# Altium PCB PCB1.PcbDoc (continued)
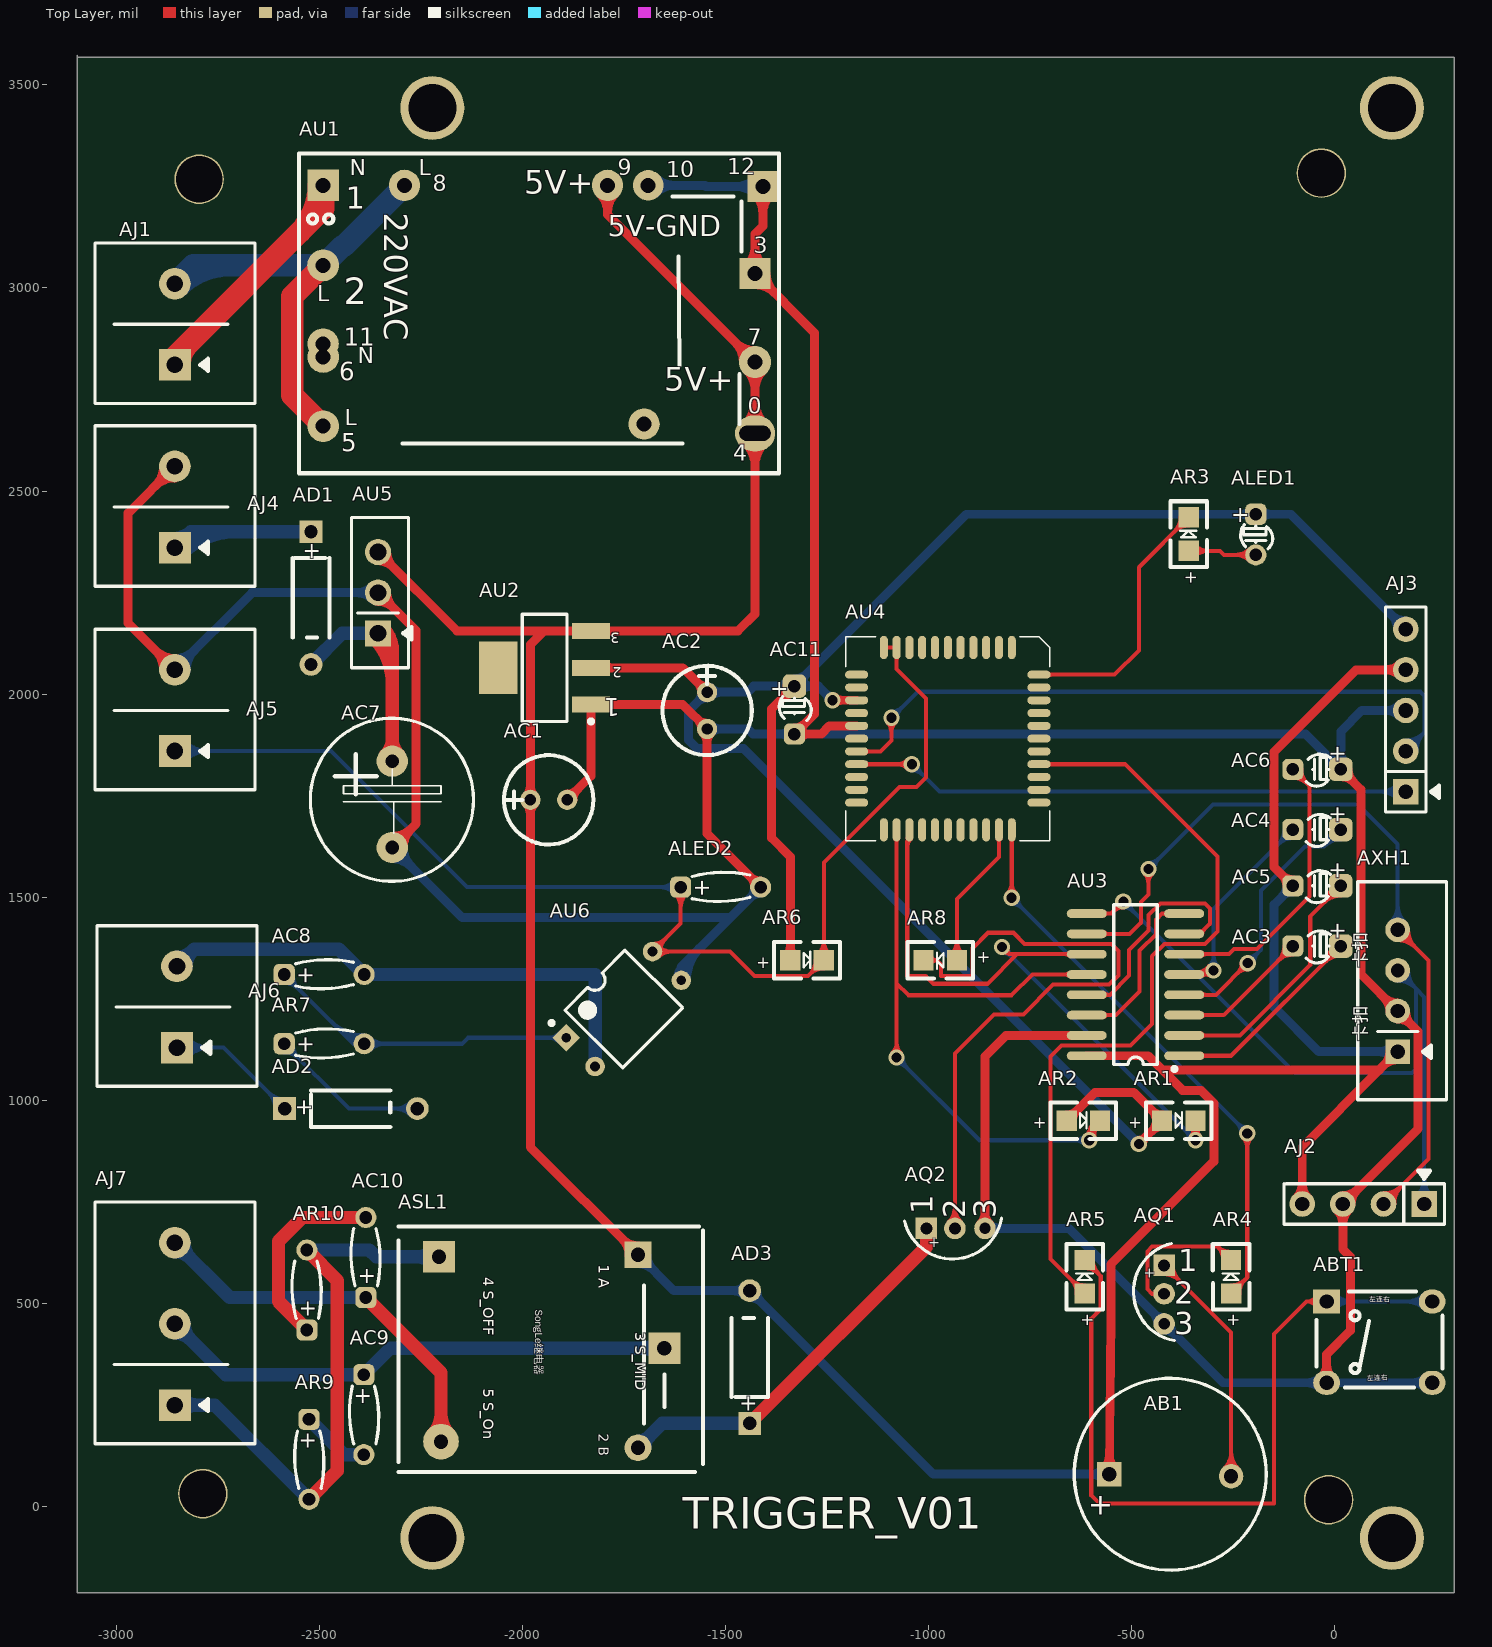
[diagram p0: Top Layer view]
## Nets (pads, with @x,y where several pads share a name; then routed paths per layer and width w, separated by ;. In a path a pad name is that pad's centre, name@x,y a point inside that pad or via, vN(x,y) a via of type N, cw(c..) or ccw(c..) an arc to the next point about the centre after c; other vN are vias at no path point)
NetAB1_1: AB1.1 AC1.1 AC5.2 AD3.2 AJ2.4 AJ3.4 ASL1.1 AU1.4 AU1.7 AU1.9 AU2.3 AU3.16 AU5.3 AXH1.1 | length 10766
  Top Layer w22: AU5.3@-2355,2328.5 cw(c-2355,2276.59) -2318.3,2313.3 cw(c-2281.59,2350) AU5.3@-2333.5,2350 ; AU5.3 -2160.55,2155.55 -1946.29,2155.55 ; AC1.1@-1989.9,1730.1 cw(c-2013.8,1706.2) -1980,1706.2 cw(c-1946.2,1706.2) AC1.1@-1970.1,1730.1 ; AC1.1@-1989.9,1749.9 ccw(c-2013.8,1773.8) -1980,1773.8 ccw(c-1946.2,1773.8) AC1.1@-1970.1,1749.9 ; AU2.3@-1864.53,2149.41 ccw(c-1879.35,2134.58) -1879.35,2155.55 ccw(c-1879.35,2176.52) AU2.3@-1864.53,2161.69 ; AU1.9@-1809.45,3233.15 cw(c-1856.39,3186.21) -1790,3186.21 cw(c-1723.61,3186.21) AU1.9@-1770.55,3233.15 ; AU2.3@-1797.13,2149.41 cw(c-1782.3,2134.58) -1782.3,2155.55 cw(c-1782.3,2176.52) AU2.3@-1797.13,2161.69 ; AU1.9 -1790,3180.55 AU1.7 AU1.4 -1427.01,2197.84 -1469.29,2155.55 AU2.3 -1946.29,2155.55 ; ASL1.1@-1737,620 ccw(c-1790.11,620) -1752.56,657.56 ccw(c-1715,695.11) ASL1.1@-1715,642 ; ASL1.1 -1980,885 AC1.1 -1980,2121.84 -1946.29,2155.55 ; AU1.7@-1455.51,2817.56 ccw(c-1524.31,2817.56) -1475.66,2866.21 ccw(c-1427.01,2914.87) AU1.7@-1427.01,2846.06 ; AU1.4@-1450.34,2618.71 cw(c-1506.68,2562.38) -1427.01,2562.38 cw(c-1347.34,2562.38) AU1.4@-1403.67,2618.71 ; AU1.4@-1450.34,2665.38 ccw(c-1506.68,2721.72) -1427.01,2721.72 ccw(c-1347.34,2721.72) AU1.4@-1403.67,2665.38 ; AU1.7@-1447.16,2797.41 cw(c-1495.81,2748.75) -1427.01,2748.75 cw(c-1358.2,2748.75) AU1.7@-1406.86,2797.41 ; AU3.16 -459.29,1110 -424.28,1074.99 ; AB1.1@-568.29,93.58 ccw(c-600.39,126.35) -554.52,125.87 ccw(c-508.65,125.39) AB1.1@-541.42,93.29 ; AB1.1 -551,461 -551,596.28 -297.29,849.99 -297.29,992.99 -329.29,1024.99 -374.28,1024.99 -424.28,1074.99 ; AC5.2@-118.11,1528.33 ccw(c-154.32,1528.33) -128.72,1553.94 ccw(c-103.11,1579.55) AC5.2@-103.11,1543.33 ; AC5.2 -149.29,1574.52 -149.29,1857.99 52.72,2060 AJ3.4 ; AJ2.4@-94.5,759.5 ccw(c-129.49,794.49) -80,794.49 ccw(c-30.51,794.49) AJ2.4@-65.5,759.5 ; AJ2.4 -80,885 109.99,1074.99 ; AXH1.1@135.49,1120 cw(c88.38,1120) 121.69,1086.69 cw(c155,1053.38) AXH1.1@155,1100.49 ; AXH1.1 109.99,1074.99 ; AJ3.4@160.5,2045.5 ccw(c125.51,2010.51) 125.51,2060 ccw(c125.51,2109.49) AJ3.4@160.5,2074.5 ; -424.28,1074.99 109.99,1074.99
  Bottom Layer w22: ASL1.1@-1715,598 cw(c-1715,544.89) -1677.44,582.44 cw(c-1639.89,620) ASL1.1@-1693,620 ; ASL1.1 -1626.77,531.77 AD3.2 -988.23,80 AB1.1 ; AD3.2@-1452.02,519.75 ccw(c-1481.04,490.73) -1481.04,531.77 ccw(c-1481.04,572.81) AD3.2@-1452.02,543.79 ; AD3.2@-1440,514.77 cw(c-1440,473.73) -1410.98,502.75 cw(c-1381.96,531.77) AD3.2@-1423,531.77 ; AB1.1@-568.44,66.56 ccw(c-600.87,34.13) -600.87,80 ccw(c-600.87,125.87) AB1.1@-568.44,93.44 ; AC5.2@-118.11,1528.33 cw(c-154.32,1528.33) -128.72,1502.73 cw(c-103.11,1477.12) AC5.2@-103.11,1513.33 ; AC5.2 -149.29,1482.15 -149.29,1229.99 -39.3,1120 AXH1.1 ; AXH1.1@141.2,1106.2 ccw(c107.89,1072.89) 107.89,1120 ccw(c107.89,1167.11) AXH1.1@141.2,1133.8
NetAB1_2: AB1.2 AQ1.1 | length 864.3
  Top Layer w10: AQ1.1@-420,572.45 cw(c-420,520.55) -383.3,557.25 cw(c-346.59,593.95) AQ1.1@-398.5,593.95 ; AQ1.1@-420,582.45 cw(c-420,554.69) -400.37,574.32 cw(c-380.74,593.95) AQ1.1@-408.5,593.95 ; AQ1.1 -255,428.95 AB1.2 ; AB1.2@-272.68,92.56 ccw(c-315.36,135.24) -255,135.24 ccw(c-194.64,135.24) AB1.2@-237.32,92.56 ; AB1.2@-265.61,85.49 ccw(c-291.21,111.09) -255,111.09 ccw(c-218.79,111.09) AB1.2@-244.39,85.49
NetABT1_1: ABT1.1 ABT1.3 AR5.2 | length 2335
  Top Layer w10: AR5.2@-615.2,587.3 cw(c-615.2,539.02) -581.06,573.16 cw(c-546.92,607.3) AR5.2@-595.2,607.3 ; AR5.2 -576,568.1 -576,485.99 -599.29,462.7 -599.29,27.99 -579.29,7.99 -149.29,7.99 -149.29,425 -69.29,505 ; ABT1.1@-43.88,491.4 ccw(c-69.29,474.47) -69.29,505 ; ABT1.1@-43.88,518.6 cw(c-69.29,535.53) -69.29,505 ; ABT1.1 -69.29,505
  Bottom Layer w10: ABT1.1 ABT1.3 ; ABT1.1@-6.26,494.73 cw(c18.55,469.93) 18.55,505 cw(c18.55,540.07) ABT1.1@-6.26,515.27 ; ABT1.1@0.82,487.66 cw(c42.69,445.79) 42.69,505 cw(c42.69,564.21) ABT1.1@0.82,522.34 ; ABT1.3@219.18,487.66 ccw(c177.31,445.79) 177.31,505 ccw(c177.31,564.21) ABT1.3@219.18,522.34 ; ABT1.3@226.26,494.73 ccw(c201.45,469.93) 201.45,505 ccw(c201.45,540.07) ABT1.3@226.26,515.27
NetABT1_2: ABT1.2 ABT1.4 AC1.2 AC2.2 AC6.1 AC7.2 AC11.2 AJ2.3 AJ3.3 AJ4.2 AJ5.2 ALED2.2 AQ1.3 AQ2.3 AU1.3 AU1.10 AU1.12 AU2.1 AU3.15 AU4.16 AU5.2 AU6.3 AXH1.2 | length 14497.1
  Top Layer w22: AJ5.2@-2883,2060 ccw(c-2950.6,2060) -2902.8,2107.8 ccw(c-2855,2155.6) AJ5.2@-2855,2088 ; AJ4.2@-2883,2560.71 cw(c-2950.6,2560.71) -2902.8,2512.91 cw(c-2855,2465.11) AJ4.2@-2855,2532.71 ; AJ5.2 -2970,2175 -2970,2445.71 AJ4.2 ; AU5.2@-2355,2228.5 cw(c-2355,2176.59) -2318.3,2213.3 cw(c-2281.59,2250) AU5.2@-2333.5,2250 ; AU5.2 -2261.29,2156.29 -2261.29,1681.11 AC7.2 ; AC7.2@-2320,1649.9 ccw(c-2320,1716.29) -2273.05,1669.35 ccw(c-2226.11,1622.4) AC7.2@-2292.5,1622.4 ; AC1.2 -1830.83,1798.62 AU2.1 -1605,1974.45 AC2.2 -1545,1656.85 ALED2.2 ; AC1.2@-1889.45,1754 ccw(c-1889.45,1787.8) -1865.55,1763.9 ccw(c-1841.65,1740) AC1.2@-1875.45,1740 ; AU2.1@-1836.97,1968.31 cw(c-1851.79,1953.48) -1830.83,1953.48 cw(c-1809.86,1953.48) AU2.1@-1824.68,1968.31 ; AU2.1@-1797.13,1968.31 cw(c-1782.3,1953.48) -1782.3,1974.45 cw(c-1782.3,1995.42) AU2.1@-1797.13,1980.59 ; AC2.2@-1559,1914.45 ccw(c-1592.8,1914.45) -1568.9,1938.35 ccw(c-1545,1962.25) AC2.2@-1545,1928.45 ; AC2.2@-1554.9,1904.55 cw(c-1578.8,1880.65) -1545,1880.65 cw(c-1511.2,1880.65) AC2.2@-1535.1,1904.55 ; AU1.3@-1446.45,3055.19 ccw(c-1493.4,3102.14) -1427.01,3102.14 ccw(c-1360.62,3102.14) AU1.3@-1407.56,3055.19 ; ALED2.2@-1428.15,1525 ccw(c-1464.36,1525) -1438.76,1550.61 ccw(c-1413.15,1576.21) ALED2.2@-1413.15,1540 ; AU1.3@-1427.01,3008.25 cw(c-1427.01,2941.86) -1380.06,2988.8 cw(c-1333.12,3035.75) AU1.3@-1399.51,3035.75 ; AU1.12@-1426.97,3230.28 cw(c-1473.91,3183.33) -1407.52,3183.33 cw(c-1341.13,3183.33) AU1.12@-1388.07,3230.28 ; AU1.12 -1407.52,3152.48 -1427.01,3132.99 AU1.3 -1280.29,2889.03 -1280.29,1951.6 AC11.2 -1264.29,1901.89 -1244.1,1922.09 AU4.16 ; AC11.2@-1330,1916.89 ccw(c-1330,1953.1) -1304.39,1927.5 ccw(c-1278.79,1901.89) AC11.2@-1315,1901.89 ; AC11.2@-1319.39,1891.28 cw(c-1293.79,1865.68) -1293.79,1901.89 cw(c-1293.79,1938.1) AC11.2@-1319.39,1912.5 ; AQ2.3@-871.96,695.96 ccw(c-898.42,722.42) -861,722.42 ccw(c-823.58,722.42) AQ2.3@-850.04,695.96 ; AQ2.3 -861,1107.99 -808.99,1160 AU3.15 ; ABT1.2@-33.1,318.1 ccw(c-64.73,349.73) -20,349.73 ccw(c24.73,349.73) ABT1.2@-6.9,318.1 ; ABT1.2 -20,374.99 38.71,433.7 38.71,614.99 20,633.7 AJ2.3 205.51,930.51 205.51,1169.49 AXH1.2 64.71,1310.29 64.71,1765.29 AC6.1 ; AJ2.3@5.5,730.5 cw(c-29.49,695.51) 20,695.51 cw(c69.49,695.51) AJ2.3@34.5,730.5 ; AC6.1@15,1797 cw(c15,1753.54) 45.73,1784.27 cw(c76.46,1815) AC6.1@33,1815 ; AJ2.3@20,765.5 ccw(c20,814.99) 55,780 ccw(c89.99,745) AJ2.3@40.5,745 ; AXH1.2@135.49,1220 ccw(c88.38,1220) 121.69,1253.31 ccw(c155,1286.62) AXH1.2@155,1239.51 ; AXH1.2@155,1200.49 cw(c155,1153.38) 188.31,1186.69 cw(c221.62,1220) AXH1.2@174.51,1220
  Bottom Layer w22: AJ5.2 -2665,2250 AU5.2 ; AJ5.2@-2855,2088 ccw(c-2855,2155.6) -2807.2,2107.8 ccw(c-2759.4,2060) AJ5.2@-2827,2060 ; AU5.2@-2370.2,2234.8 ccw(c-2406.91,2198.09) -2406.91,2250 ccw(c-2406.91,2301.91) AU5.2@-2370.2,2265.2 ; AC7.2@-2320,1594.9 cw(c-2320,1528.51) -2273.05,1575.46 cw(c-2226.11,1622.4) AC7.2@-2292.5,1622.4 ; AC7.2 -2147.59,1449.99 -1488.16,1449.99 ; AU1.10 -1550.29,3252.6 -1547.42,3249.72 AU1.12 ; AU1.10@-1671.26,3233.86 cw(c-1626.02,3188.62) -1626.02,3252.6 cw(c-1626.02,3316.57) AU1.10@-1671.26,3271.34 ; AU6.3@-1617.58,1295.71 cw(c-1557.56,1295.71) -1600,1338.15 ; AU6.3 -1608.58,1329.57 -1488.16,1449.99 ; AU6.3@-1595.58,1295.71 cw(c-1482.44,1295.71) -1562.44,1375.71 ; AC2.2 -1444.29,1914.45 -1431.73,1901.89 AC11.2 -71.89,1901.89 AC6.1 15,1907.99 67.01,1960 AJ3.3 ; AC2.2@-1535.1,1904.55 cw(c-1511.2,1880.65) -1511.2,1914.45 cw(c-1511.2,1948.25) AC2.2@-1535.1,1924.35 ; ALED2.2@-1428.15,1525 cw(c-1464.36,1525) -1438.76,1499.39 cw(c-1413.15,1473.79) ALED2.2@-1413.15,1510 ; AU1.12@-1426.97,3230.28 ccw(c-1473.91,3183.33) -1473.91,3249.72 ccw(c-1473.91,3316.11) AU1.12@-1426.97,3269.17 ; ALED2.2 -1488.16,1449.99 ; AC11.2@-1340.61,1891.28 ccw(c-1366.21,1865.68) -1366.21,1901.89 ccw(c-1366.21,1938.1) AC11.2@-1340.61,1912.5 ; AC11.2@-1319.39,1891.28 cw(c-1293.79,1865.68) -1293.79,1901.89 cw(c-1293.79,1938.1) AC11.2@-1319.39,1912.5 ; AQ2.3 -655.05,685 AQ1.3 -275.05,305 ABT1.2 ABT1.4 ; AQ2.3@-850.04,674.04 cw(c-823.58,647.58) -823.58,685 cw(c-823.58,722.42) AQ2.3@-850.04,695.96 ; AQ1.3@-435.5,449.95 ccw(c-472.92,449.95) -446.46,476.41 ccw(c-420,502.87) AQ1.3@-420,465.45 ; AQ1.3@-420,434.45 cw(c-420,397.03) -393.54,423.49 cw(c-367.08,449.95) AQ1.3@-404.5,449.95 ; ABT1.2@-36.57,291.9 ccw(c-68.2,260.27) -68.2,305 ccw(c-68.2,349.73) ABT1.2@-36.57,318.1 ; AC6.1@-3,1815 ccw(c-46.46,1815) -15.73,1845.73 ccw(c15,1876.46) AC6.1@15,1833 ; AC6.1@2.27,1827.73 ccw(c-28.46,1858.46) 15,1858.46 ccw(c58.46,1858.46) AC6.1@27.73,1827.73 ; AJ3.3@160.5,1945.5 ccw(c125.51,1910.51) 125.51,1960 ccw(c125.51,2009.49) AJ3.3@160.5,1974.5 ; ABT1.4@223.43,291.9 ccw(c191.8,260.27) 191.8,305 ccw(c191.8,349.73) ABT1.4@223.43,318.1
NetAC2_1: AC2.1 AC11.1 AJ3.5 ALED1.A AR1.1 AR2.1 AR6.1 AU2.2 AU4.14 | length 6250.5
  Top Layer w22: AU2.2 -1605,2065 AC2.1 ; AU2.2@-1797.13,2058.86 cw(c-1782.3,2044.03) -1782.3,2065 cw(c-1782.3,2085.97) AU2.2@-1797.13,2071.14 ; AC2.1@-1559,2005 ccw(c-1592.8,2005) -1568.9,2028.9 ccw(c-1545,2052.8) AC2.1@-1545,2019 ; AR6.1@-1349.9,1354.9 ccw(c-1373.8,1378.8) -1340,1378.8 ccw(c-1306.2,1378.8) AR6.1@-1330.1,1354.9 ; AC11.1@-1348,2020 cw(c-1391.46,2020) -1360.73,1989.27 cw(c-1330,1958.54) AC11.1@-1330,2002 ; AR6.1 -1340,1599.7 -1386.29,1645.99 -1386.29,1963.71 AC11.1 ; v1(-1236.36,1985.08) AU4.14 ; v1@-1230,1978.71 cw(c-1214.63,1963.35) -1214.63,1985.08 cw(c-1214.63,2006.81) v1@-1230,1991.44 ; AR2.1 -590.01,1019.99 -494.99,1019.99 AR1.1 v1(-482.15,892.85) ; AR2.1@-660,964 ccw(c-660,997.8) -636.1,973.9 ccw(c-612.2,950) AR2.1@-646,950 ; v1@-482.15,901.85 ccw(c-482.15,923.58) -466.79,908.21 ccw(c-451.42,892.85) v1@-473.15,892.85 ; AR1.1@-425,936 ccw(c-425,902.2) -448.9,926.1 ccw(c-472.8,950) -439,950 ccw(c-472.8,950) -448.9,973.9 ccw(c-425,997.8) AR1.1@-425,964
  Bottom Layer w22: AC2.1@-1559,2005 cw(c-1592.8,2005) -1568.9,1981.1 cw(c-1545,1957.2) AC2.1@-1545,1991 ; AC2.1@-1535.1,1995.1 cw(c-1511.2,1971.2) -1511.2,2005 cw(c-1511.2,2038.8) AC2.1@-1535.1,2014.9 ; AC11.1@-1342.73,2007.27 ccw(c-1373.46,1976.54) -1373.46,2020 ccw(c-1373.46,2063.46) AC11.1@-1342.73,2032.73 ; AC11.1@-1330,2038 ccw(c-1330,2081.46) -1299.27,2050.73 ccw(c-1268.54,2020) AC11.1@-1312,2020 ; AC11.1@-1317.27,2007.27 cw(c-1286.54,1976.54) -1286.54,2020 cw(c-1286.54,2063.46) AC11.1@-1317.27,2032.73 ; v1@-1245.36,1985.08 ccw(c-1267.09,1985.08) -1251.73,2000.44 ccw(c-1236.36,2015.81) v1@-1236.36,1994.08 ; v1(-1236.36,1985.08) -1271.28,2020 AC11.1 ; v1@-491.15,892.85 ccw(c-512.88,892.85) -497.51,908.21 ccw(c-482.15,923.58) v1@-482.15,901.85 ; v1(-482.15,892.85) -1455.29,1865.99 -1569.29,1865.99 -1590.29,1886.99 -1590.29,1959.71 AC2.1 -1445.29,2005 -1430.29,2020 AC11.1 ; ALED1.A@-204.9,2432.39 ccw(c-230.51,2406.78) -230.51,2442.99 ccw(c-230.51,2479.21) ALED1.A@-204.9,2453.6 ; ALED1.A@-183.69,2432.39 cw(c-158.08,2406.78) -158.08,2442.99 cw(c-158.08,2479.21) ALED1.A@-183.69,2453.6 ; AJ3.5@154.5,2160 ccw(c105.01,2160) 140,2195 ccw(c175,2229.99) AJ3.5@175,2180.5 ; AJ3.5 -107.99,2442.99 ALED1.A -907.01,2442.99 AC11.1
NetAC3_1: AC3.1 AU3.1 | length 663.6
  Top Layer w10: AU3.1 -255,1110 AC3.1 ; AU3.1@-328.02,1105.88 cw(c-318.08,1095.93) -318.08,1110 cw(c-318.08,1124.07) AU3.1@-328.02,1114.12 ; AC3.1@-9,1380 cw(c-66.94,1380) -25.97,1339.03 cw(c15,1298.06) AC3.1@15,1356 ; AC3.1@1,1380 cw(c-32.8,1380) -8.9,1356.1 cw(c15,1332.2) AC3.1@15,1366
NetAC3_2: AC3.2 AU3.3 | length 481.3
  Top Layer w10: AU3.3 -273.11,1210 AC3.2 ; AU3.3@-328.02,1205.88 cw(c-318.08,1195.93) -318.08,1210 cw(c-318.08,1224.07) AU3.3@-328.02,1214.12 ; AC3.2@-124.11,1380 cw(c-174.81,1380) -138.96,1344.15 cw(c-103.11,1308.3) AC3.2@-103.11,1359 ; AC3.2@-114.11,1380 cw(c-140.67,1380) -121.89,1361.22 cw(c-103.11,1342.44) AC3.2@-103.11,1369
NetAC4_1: AC4.1 AU3.4 | length 919.2
  Top Layer w10: AU3.4 -292.28,1260 v1(-214.29,1337.99) ; AU3.4@-328.02,1255.88 cw(c-318.08,1245.93) -318.08,1260 cw(c-318.08,1274.07) AU3.4@-328.02,1264.12 ; v1@-229.29,1337.99 cw(c-265.51,1337.99) -239.9,1312.39 cw(c-214.29,1286.78) v1@-214.29,1322.99
  Bottom Layer w10: v1(-214.29,1337.99) -181.29,1370.99 -181.29,1516.5 -72.8,1624.99 -26.67,1624.99 AC4.1 ; v1@-214.29,1352.99 ccw(c-214.29,1389.21) -188.69,1363.6 ccw(c-163.08,1337.99) v1@-199.29,1337.99 ; AC4.1@-9,1666.67 cw(c-66.94,1666.67) -25.97,1625.7 cw(c15,1584.72) AC4.1@15,1642.67 ; AC4.1@1,1666.67 cw(c-32.8,1666.67) -8.9,1642.77 cw(c15,1618.87) AC4.1@15,1652.67
NetAC4_2: AC4.2 AU3.5 | length 848.3
  Top Layer w10: AU3.5 -308.28,1310 v1(-298.29,1319.99) ; AU3.5@-358.63,1310 ccw(c-358.63,1380.33) v1@-308.9,1330.6 ; AU3.5@-334.49,1310 ccw(c-334.49,1356.19) v1@-301.83,1323.53 ; AU3.5@-328.02,1305.88 cw(c-318.08,1295.93) -318.08,1310 cw(c-318.08,1324.07) AU3.5@-328.02,1314.12 ; AU3.5@-325.66,1307.97 ccw(c-330.08,1324.49) v1@-313.14,1322.1 ; AU3.5@-321.53,1309.07 cw(c-316.16,1289.04) -305.79,1307 ccw(c-316.16,1289.04) AU3.5@-321.53,1309.07
  Bottom Layer w10: v1@-308.9,1330.6 ccw(c-334.51,1356.21) -298.29,1356.21 ccw(c-262.08,1356.21) v1@-287.69,1330.6 ; v1(-298.29,1319.99) -298.29,1471.48 AC4.2 ; AC4.2@-124.11,1666.67 cw(c-174.81,1666.67) -138.96,1630.82 cw(c-103.11,1594.97) AC4.2@-103.11,1645.67 ; AC4.2@-114.11,1666.67 cw(c-140.67,1666.67) -121.89,1647.89 cw(c-103.11,1629.11) AC4.2@-103.11,1655.67
NetAC5_1: AC5.1 AU3.2 | length 774.6
  Top Layer w10: AU3.2 -233.28,1160 -60.29,1332.99 -60.29,1453.04 AC5.1 ; AU3.2@-328.02,1155.88 cw(c-318.08,1145.93) -318.08,1160 cw(c-318.08,1174.07) AU3.2@-328.02,1164.12 ; AC5.1@-9,1528.33 cw(c-66.94,1528.33) -25.97,1487.36 cw(c15,1446.39) AC5.1@15,1504.33 ; AC5.1@1,1528.33 cw(c-32.8,1528.33) -8.9,1504.43 cw(c15,1480.53) AC5.1@15,1514.33
NetAC6_2: AC6.2 AU3.6 | length 840.4
  Top Layer w10: AU3.6 -260.75,1360 -248.07,1372.68 -191.6,1372.68 -62.29,1501.99 -62.29,1774.18 AC6.2 ; AU3.6@-328.02,1355.88 cw(c-318.08,1345.93) -318.08,1360 cw(c-318.08,1374.07) AU3.6@-328.02,1364.12 ; AC6.2@-103.11,1794 cw(c-103.11,1743.3) -67.26,1779.15 cw(c-31.41,1815) AC6.2@-82.11,1815 ; AC6.2@-103.11,1804 cw(c-103.11,1777.44) -84.33,1796.22 cw(c-65.55,1815) AC6.2@-92.11,1815
NetAC7_1: AC7.1 AD1.2 AU5.1 | length 911.2
  Top Layer w33: AU5.1@-2365.96,2139.04 cw(c-2476.92,2028.08) -2320,2028.08 ; AU5.1@-2355,2134.5 cw(c-2355,2097.08) -2328.54,2123.54 cw(c-2302.08,2150) AU5.1@-2339.5,2150 ; AU5.1 -2320,2115 AC7.1 ; AU5.1@-2342.63,2162.37 cw(c-2397.25,2107.75) -2320,2107.75 ; AC7.1@-2335.56,1850.56 ccw(c-2373.11,1888.11) -2320,1888.11 ccw(c-2266.89,1888.11) AC7.1@-2304.44,1850.56
  Bottom Layer w33: AD1.2 -2443.23,2150 AU5.1 ; AU5.1@-2365.96,2139.04 ccw(c-2392.42,2112.58) -2392.42,2150 ccw(c-2392.42,2187.42) AU5.1@-2365.96,2160.96
NetAC8_1: AC8.1 AR7.2 AU6.1 | length 1347.9
  Bottom Layer w10: AC8.1@-2586,1289 cw(c-2586,1238.3) -2550.15,1274.15 cw(c-2514.3,1310) AC8.1@-2565,1310 ; AC8.1@-2586,1299 cw(c-2586,1272.44) -2567.22,1291.22 cw(c-2548.44,1310) AC8.1@-2575,1310 ; AC8.1 -2415.52,1139.52 ; -2470.02,1194.02 ccw(c-2389.15,1274.89) AR7.2@-2389.15,1160.52 ; -2452.95,1176.95 ccw(c-2389.15,1240.75) AR7.2@-2389.15,1150.52 ; -2435.88,1159.88 ccw(c-2389.15,1206.6) AR7.2@-2389.15,1140.52 ; -2418.81,1142.81 ccw(c-2389.15,1172.46) AR7.2@-2389.15,1130.52 ; AR7.2@-2409.62,1134.82 ccw(c-2415.52,1133.46) -2415.52,1139.52 ; AR7.2@-2409.62,1144.22 cw(c-2415.52,1145.58) -2415.52,1139.52 ; AR7.2@-2381.37,1131.74 cw(c-2362.59,1112.97) -2362.59,1139.52 cw(c-2362.59,1166.08) AR7.2@-2381.37,1147.3 ; AR7.2@-2374.3,1124.67 cw(c-2338.45,1088.82) -2338.45,1139.52 cw(c-2338.45,1190.22) AR7.2@-2374.3,1154.37 ; AU6.1@-1904.86,1140.85 ccw(c-1937.29,1108.42) -1937.29,1154.29 ccw(c-1937.29,1200.16) AU6.1@-1904.86,1167.73 ; AU6.1 -2133.52,1154.29 -2148.29,1139.52 AR7.2 -2415.52,1139.52
NetAC8_2: AC8.2 AJ6.2 AU6.2 | length 1384.1
  Bottom Layer w33: AJ6.2 -2808.01,1371.99 -2451.14,1371.99 AC8.2 -1820.72,1310 ; AJ6.2@-2850,1352.5 ccw(c-2850,1406.82) -2811.59,1368.41 ccw(c-2773.18,1330) AJ6.2@-2827.5,1330 ; AU6.2 -1820.71,1309.99
NetAC9_1: AC9.1 AJ7.2 ASL1.3 | length 1454.4
  Bottom Layer w33: AJ7.2@-2855,427.5 cw(c-2855,373.18) -2816.59,411.59 cw(c-2778.18,450) AJ7.2@-2832.5,450 ; AJ7.2 -2730,325 AC9.1 -2325,390 ASL1.3 ; ASL1.3@-1665.91,374.09 ccw(c-1704.32,335.68) -1704.32,390 ccw(c-1704.32,444.32) ASL1.3@-1665.91,405.91
NetAC9_2: AC9.2 AR9.1 | length 171
  Bottom Layer w33: AR9.1 -2438.15,128.15 AC9.2
NetAC10_1: AC10.1 AJ7.3 ASL1.5 | length 1147.2
  Top Layer w33: AC10.1 -2200,330 ASL1.5 ; ASL1.5@-2219.45,179.45 ccw(c-2266.39,226.39) -2200,226.39 ccw(c-2133.61,226.39) ASL1.5@-2180.55,179.45
  Bottom Layer w33: AJ7.3@-2855,627.5 cw(c-2855,573.18) -2816.59,611.59 cw(c-2778.18,650) AJ7.3@-2832.5,650 ; AJ7.3 -2720,515 AC10.1
NetAC10_2: AC10.2 AR10.1 | length 486.5
  Top Layer w33: AR10.1 -2600,505 -2600,653.28 -2541.43,711.85 AC10.2
NetAD1_A: AD1.1 AJ4.1 | length 670.1
  Bottom Layer w33: AJ4.1@-2862.42,2368.13 cw(c-2785.49,2291.2) -2785.49,2400 ; AJ4.1 -2815.71,2400 AD1.1 ; AJ4.1@-2855,2383.21 ccw(c-2855,2437.53) -2816.59,2399.12 ccw(c-2778.18,2360.71) AJ4.1@-2832.5,2360.71 ; AJ4.1@-2839.09,2344.8 cw(c-2705.82,2211.53) -2705.82,2400
NetAD2_A: AD2.1 AJ6.1 | length 683.6
  Bottom Layer w10: AJ6.1 -2735,1130 AD2.1 ; AJ6.1@-2833.03,1113.03 cw(c-2792.06,1072.06) -2792.06,1130 cw(c-2792.06,1187.94) AJ6.1@-2833.03,1146.97 ; AJ6.1@-2825.96,1105.96 cw(c-2767.92,1047.92) -2767.92,1130 cw(c-2767.92,1212.08) AJ6.1@-2825.96,1154.04 ; AD2.1@-2608,980 ccw(c-2663.53,980) -2624.26,1019.26 ccw(c-2585,1058.53) AD2.1@-2585,1003 ; AD2.1@-2598,980 ccw(c-2629.38,980) -2607.19,1002.19 ccw(c-2585,1024.38) AD2.1@-2585,993
NetAD2_K: AD2.2 AR7.1 | length 651.7
  Bottom Layer w10: AR7.1@-2586,1118.52 cw(c-2586,1067.82) -2550.15,1103.67 cw(c-2514.3,1139.52) AR7.1@-2565,1139.52 ; AR7.1@-2586,1128.52 cw(c-2586,1101.97) -2567.22,1120.74 cw(c-2548.44,1139.52) AR7.1@-2575,1139.52 ; AR7.1 -2426.48,980 AD2.2 ; AD2.2@-2274.49,963.74 ccw(c-2313.75,924.47) -2313.75,980 ccw(c-2313.75,1035.53) AD2.2@-2274.49,996.26 ; AD2.2@-2267.42,970.81 ccw(c-2289.61,948.62) -2289.61,980 ccw(c-2289.61,1011.38) AD2.2@-2267.42,989.19
NetAD3_A: AD3.1 AQ2.1 ASL1.2 | length 1022.6
  Top Layer w33: AD3.1 -1005,640 AQ2.1
  Bottom Layer w33: ASL1.2 -1655,205 AD3.1 ; ASL1.2@-1715,161.5 ccw(c-1715,201.33) -1686.83,173.17 ccw(c-1658.67,145) ASL1.2@-1698.5,145
NetAJ1_1: AJ1.1 AU1.1 | length 781.5
  Top Layer w55: AJ1.1 -2855,2830 -2490,3195 AU1.1 ; AJ1.1@-2843.5,2810.71 cw(c-2769.16,2810.71) -2821.73,2863.27 ; -2549.51,3135.49 ccw(c-2666.61,3252.6) AU1.1@-2501,3252.6
NetAJ1_2: AJ1.2 AU1.2 AU1.5 AU1.8 | length 1266.8
  Top Layer w55: AU1.5 -2566.29,2736.21 -2566.29,2979.46 AU1.2
  Bottom Layer w55: AJ1.2 -2809.96,3055.75 AU1.2 -2442.29,3103.46 -2439.14,3103.46 AU1.8 ; AJ1.2@-2846.87,3002.58 cw(c-2718.5,2874.21) -2718.5,3055.75
NetAJ2_1: AJ2.1 AU3.9 AXH1.3 | length 2255.3
  Top Layer w10: AU3.9 -550.29,1460 v1(-520.29,1490) ; AU3.9@-567.97,1455.88 cw(c-558.02,1445.93) -558.02,1460 cw(c-558.02,1474.07) AU3.9@-567.97,1464.12 ; v1@-535.29,1490 cw(c-571.51,1490) -545.9,1464.39 cw(c-520.29,1438.79) v1@-520.29,1475
  Bottom Layer w10: v1@-520.29,1475 cw(c-520.29,1438.79) -494.69,1464.39 cw(c-469.08,1490) v1@-505.29,1490 ; v1(-520.29,1490) -98.28,1067.99 189.71,1067.99 199.71,1077.99 199.71,1275.29 ; AXH1.3@155,1294.49 cw(c155,1232.9) 198.55,1276.45 cw(c242.1,1320) AXH1.3@180.51,1320 ; AXH1.3@155,1304.49 cw(c155,1267.04) 181.48,1293.52 cw(c207.96,1320) AXH1.3@170.51,1320 ; AXH1.3 199.71,1275.29 ; AJ2.1@201.26,763.74 ccw(c156.02,808.98) 220,808.98 ccw(c283.98,808.98) AJ2.1@238.74,763.74 ; AJ2.1@208.33,756.67 ccw(c180.17,784.83) 220,784.83 ccw(c259.83,784.83) AJ2.1@231.67,756.67 ; AJ2.1 220,1255 199.71,1275.29
NetAJ2_2: AJ2.2 AU3.10 AXH1.4 | length 2577.8
  Top Layer w10: AU3.10 -504.74,1410 -477.29,1437.45 -477.29,1488 -458.61,1506.68 v1(-458.61,1569.99) ; AU3.10@-567.97,1405.88 cw(c-558.02,1395.93) -558.02,1410 cw(c-558.02,1424.07) AU3.10@-567.97,1414.12 ; v1@-469.22,1559.39 cw(c-494.82,1533.78) -458.61,1533.78 cw(c-422.4,1533.78) v1@-448,1559.39 ; AJ2.2 230.51,855.51 230.51,1344.49 AXH1.4 ; AJ2.2@120,761.5 ccw(c120,801.33) 148.17,773.17 ccw(c176.33,745) AJ2.2@136.5,745 ; AJ2.2@120,771.5 ccw(c120,835.48) 165.24,790.24 ccw(c210.48,745) AJ2.2@146.5,745 ; AXH1.4@155,1394.49 cw(c155,1332.9) 198.55,1376.45 cw(c242.1,1420) AXH1.4@180.51,1420 ; AXH1.4@155,1404.49 cw(c155,1367.04) 181.48,1393.52 cw(c207.96,1420) AXH1.4@170.51,1420
  Bottom Layer w10: v1(-458.61,1569.99) -299.61,1728.99 56.71,1728.99 155,1630.7 AXH1.4 ; v1@-458.61,1584.99 ccw(c-458.61,1621.21) -433,1595.6 ccw(c-407.4,1569.99) v1@-443.61,1569.99 ; AXH1.4@136.96,1438.04 ccw(c93.41,1481.59) 155,1481.59 ccw(c216.59,1481.59) AXH1.4@173.04,1438.04 ; AXH1.4@144.03,1430.97 ccw(c117.55,1457.45) 155,1457.45 ccw(c192.45,1457.45) AXH1.4@165.97,1430.97
NetAJ3_1: AJ3.1 AU4.19 | length 1675.1
  Top Layer w10: AU4.19 v1(-1040.9,1827.6) ; AU4.19@-1154.77,1824.17 cw(c-1146.5,1815.91) -1146.5,1827.6 cw(c-1146.5,1839.29) AU4.19@-1154.77,1831.02 ; v1@-1051.5,1816.99 ccw(c-1077.11,1791.38) -1077.11,1827.6 ccw(c-1077.11,1863.81) v1@-1051.5,1838.2
  Bottom Layer w10: v1@-1040.9,1812.6 cw(c-1040.9,1776.38) -1015.29,1801.99 cw(c-989.68,1827.6) v1@-1025.9,1827.6 ; v1(-1040.9,1827.6) -973.3,1760 AJ3.1 ; AJ3.1@156.26,1741.26 ccw(c111.02,1696.02) 111.02,1760 ccw(c111.02,1823.98) AJ3.1@156.26,1778.74 ; AJ3.1@163.33,1748.33 ccw(c135.17,1720.17) 135.17,1760 ccw(c135.17,1799.83) AJ3.1@163.33,1771.67
NetAJ3_2: AJ3.2 AU4.18 | length 1945.5
  Top Layer w10: AU4.18 -1118.29,1859.09 -1091.29,1886.09 v1(-1091.29,1941.99) ; AU4.18@-1154.77,1855.67 cw(c-1146.5,1847.4) -1146.5,1859.09 cw(c-1146.5,1870.78) AU4.18@-1154.77,1862.52 ; v1@-1101.9,1931.39 cw(c-1127.51,1905.78) -1091.29,1905.78 cw(c-1055.08,1905.78) v1@-1080.69,1931.39
  Bottom Layer w10: v1(-1091.29,1941.99) -1027.29,2005.99 210.71,2005.99 220.71,1995.99 220.71,1905.71 AJ3.2 ; v1@-1091.29,1956.99 ccw(c-1091.29,1993.21) -1065.69,1967.6 ccw(c-1040.08,1941.99) v1@-1076.29,1941.99 ; AJ3.2@175,1876.5 ccw(c175,1916.33) 203.17,1888.17 ccw(c231.33,1860) AJ3.2@191.5,1860 ; AJ3.2@175,1886.5 ccw(c175,1950.48) 220.24,1905.24 ccw(c265.48,1860) AJ3.2@201.5,1860
NetAJ5_1: AJ5.1 ALED2.1 AR6.2 AU4.10 AU4.11 AU6.4 | length 3807.4
  Top Layer w10: AU6.4@-1679.29,1385.42 ccw(c-1679.29,1431.29) -1646.85,1398.86 ccw(c-1614.42,1366.42) AU6.4@-1660.29,1366.42 ; AU6.4@-1665.85,1352.99 cw(c-1633.42,1320.55) -1633.42,1366.42 cw(c-1633.42,1412.29) AU6.4@-1665.85,1379.86 ; ALED2.1@-1624.85,1510.15 cw(c-1660.7,1474.3) -1610,1474.3 cw(c-1559.3,1474.3) ALED2.1@-1595.15,1510.15 ; ALED2.1@-1617.78,1517.22 cw(c-1636.56,1498.44) -1610,1498.44 cw(c-1583.44,1498.44) ALED2.1@-1602.22,1517.22 ; ALED2.1 -1610,1435.71 AU6.4 -1488.72,1366.42 -1428.29,1305.99 -1296.91,1305.99 AR6.2 -1257.7,1585.58 -1071.29,1771.99 -1029.29,1771.99 -1006.29,1794.99 -1006.29,1989.82 -1078.46,2061.99 AU4.10 AU4.11 ; AR6.2@-1277.7,1345.2 cw(c-1325.98,1345.2) -1291.84,1311.06 cw(c-1257.7,1276.92) AR6.2@-1257.7,1325.2 ; AR6.2@-1271.84,1359.34 ccw(c-1305.98,1393.48) -1257.7,1393.48 ccw(c-1209.42,1393.48) AR6.2@-1243.56,1359.34 ; AU4.11@-1106.54,2111.58 cw(c-1098.27,2103.31) -1098.27,2115 cw(c-1098.27,2126.69) AU4.11@-1106.54,2118.42 ; AU4.10@-1081.89,2092.88 cw(c-1090.15,2084.61) -1078.46,2084.61 cw(c-1066.77,2084.61) AU4.10@-1075.04,2092.88 ; AU4.10@-1081.89,2111.58 ccw(c-1090.15,2103.31) -1090.15,2115 ccw(c-1090.15,2126.69) AU4.10@-1081.89,2118.42
  Bottom Layer w10: AJ5.1 -2471.3,1860 -2136.3,1525 ALED2.1 ; AJ5.1@-2838.03,1843.03 cw(c-2797.06,1802.06) -2797.06,1860 cw(c-2797.06,1917.94) AJ5.1@-2838.03,1876.97 ; AJ5.1@-2830.96,1835.96 cw(c-2772.92,1777.92) -2772.92,1860 cw(c-2772.92,1942.08) AJ5.1@-2830.96,1884.04 ; ALED2.1@-1624.85,1510.15 ccw(c-1660.7,1474.3) -1660.7,1525 ccw(c-1660.7,1575.7) ALED2.1@-1624.85,1539.85 ; ALED2.1@-1617.78,1517.22 ccw(c-1636.56,1498.44) -1636.56,1525 ccw(c-1636.56,1551.56) ALED2.1@-1617.78,1532.78
NetAJ7_1: AJ7.1 AR9.2 AR10.2 ASL1.4 | length 1602.4
  Top Layer w33: AR10.2 -2455,556.85 -2455,88.15 AR9.2
  Bottom Layer w33: AJ7.1 -2756.85,250 AR9.2 ; AJ7.1@-2839.09,234.09 cw(c-2800.68,195.68) -2800.68,250 cw(c-2800.68,304.32) AJ7.1@-2839.09,265.91 ; AR10.2 -2376.29,631.85 -2359.44,615 ASL1.4 ; ASL1.4@-2220.91,599.09 ccw(c-2259.32,560.68) -2259.32,615 ccw(c-2259.32,669.32) ASL1.4@-2220.91,630.91
NetALED1_K: ALED1.K AR3.1 | length 366.3
  Top Layer w10: AR3.1 -282.29,2352.99 -272.29,2342.99 ALED1.K ; AR3.1@-345.15,2338.85 cw(c-311.01,2304.71) -311.01,2352.99 cw(c-311.01,2401.28) AR3.1@-345.15,2367.13 ; ALED1.K@-209.14,2328.14 ccw(c-244.99,2292.29) -244.99,2342.99 ccw(c-244.99,2393.69) ALED1.K@-209.14,2357.84 ; ALED1.K@-202.07,2335.21 ccw(c-220.85,2316.44) -220.85,2342.99 ccw(c-220.85,2369.55) ALED1.K@-202.07,2350.77
NetAQ1_2: AQ1.2 AR4.2 | length 457.1
  Top Layer w10: AQ1.2@-440.51,517.51 ccw(c-449.29,514.75) -449.29,523.95 ; AQ1.2@-440.51,530.4 cw(c-449.29,533.15) -449.29,523.95 ; AQ1.2 -449.29,523.95 ; AR4.2@-275.19,607.92 ccw(c-318.6,609.28) -287.89,639.99 ; AR4.2@-255.82,627.29 cw(c-257.18,670.7) -287.89,639.99 ; AR4.2 -287.89,639.99 ; -449.29,523.95 -461.29,535.95 -461.29,627.99 -449.29,639.99 -287.89,639.99
NetAQ2_2: AQ2.2 AR8.2 | length 1751.6
  Top Layer w10: AR8.2 -979.29,1345 ; AR8.2@-994.57,1335.74 cw(c-979.29,1327.76) -979.29,1345 ; AR8.2@-994.57,1354.26 ccw(c-979.29,1362.24) -979.29,1345 ; AQ2.2@-950.2,700.2 ccw(c-986.91,736.91) -935,736.91 ccw(c-883.09,736.91) AQ2.2@-919.8,700.2 ; AQ2.2@-943.13,693.13 ccw(c-962.76,712.76) -935,712.76 ccw(c-907.24,712.76) AQ2.2@-926.87,693.13 ; AQ2.2 -935,1115.28 -838.29,1211.99 -766.29,1211.99 -693.29,1284.99 -555.29,1284.99 -532.29,1307.99 -532.29,1367.99 -549.29,1384.99 -763.29,1384.99 -791.09,1412.79 -853.67,1412.79 -891,1375.46 -891,1306.2 -969,1306.2 -969,1334.71 -979.29,1345
NetAR1_2: AR1.2 AU3.11 AU4.25 | length 2005.2
  Top Layer w10: -1052.29,1622.94 cw(c-1022.42,1622.94) AU4.25@-1043.54,1644.06 ; -1052.29,1636.25 cw(c-1045.85,1636.25) AU4.25@-1046.49,1642.66 ; AU4.25@-1051.21,1645.15 cw(c-1056.79,1642.09) -1052.29,1637.6 ; AU4.25 -1046.97,1642.92 -1052.29,1637.6 ; v1(-819.29,1377.99) -801.3,1360 ; v1@-815.15,1363.58 cw(c-811.26,1350.05) -801.3,1360 ; v1@-804.88,1373.85 ccw(c-791.35,1369.96) -801.3,1360 ; AU3.11@-652.98,1355.88 ccw(c-662.92,1345.93) -662.92,1360 ccw(c-662.92,1374.07) AU3.11@-652.98,1364.12 ; AU3.11 -782.29,1360 ; AR1.2@-356.83,936.04 cw(c-390.79,901.99) v1(-342.7,901.99) ; v1@-353.31,912.6 ccw(c-378.91,938.21) -342.7,938.21 ccw(c-306.49,938.21) v1@-332.09,912.6 ; v1@-352.9,912.99 ccw(c-361.86,922.63) -349.14,926.04 ccw(c-336.43,929.45) v1@-339.36,916.62 ; v1@-346.04,916.62 ccw(c-348.97,929.45) -336.26,926.04 ccw(c-323.54,922.63) v1@-332.5,912.99 ; AR1.2 v1(-342.7,901.99) ; AR1.2@-328.57,936.04 ccw(c-294.61,901.99) v1(-342.7,901.99) ; -1052.29,1637.6 -1052.29,1305.99 -1006.79,1305.99 -988,1287.2 -855.09,1287.2 -782.29,1360 ; -801.3,1360 -782.29,1360
  Bottom Layer w10: v1@-819.29,1362.99 cw(c-819.29,1326.78) -793.69,1352.39 cw(c-768.08,1377.99) v1@-804.29,1377.99 ; v1(-819.29,1377.99) -343.29,901.99 v1(-342.7,901.99) ; -369.32,928.02 ccw(c-342.7,954.63) v1@-342.7,916.99 ; -367.89,926.59 cw(c-392.48,901.99) v1@-357.7,901.99
NetAR2_2: AR2.2 AU3.12 AU4.24 | length 2210.3
  Top Layer w10: v1@-1089.07,1116.6 ccw(c-1114.68,1142.21) -1078.46,1142.21 ccw(c-1042.25,1142.21) v1@-1067.86,1116.6 ; AU4.24@-1081.89,1644.06 cw(c-1090.15,1635.79) -1078.46,1635.79 cw(c-1066.77,1635.79) AU4.24@-1075.04,1644.06 ; v1(-1078.46,1105.99) -1078.46,1287.99 ; AU4.24 -1078.46,1287.99 ; AU3.12@-652.98,1305.88 ccw(c-662.92,1295.93) -662.92,1310 ccw(c-662.92,1324.07) AU3.12@-652.98,1314.12 ; v1@-611.59,915.1 ccw(c-621.37,932.64) -601.97,927.44 ccw(c-591.29,924.58) v1@-596.81,914.99 ; AU3.12 -744.29,1310 -795.3,1258.99 -1049.46,1258.99 -1078.46,1287.99 ; v1@-609.54,916.04 ccw(c-612.37,923.61) -604.29,923.61 ; v1@-609.13,900.73 cw(c-584.14,907.24) AR2.2@-602.4,925.5 ; v1@-605.95,916.9 ccw(c-606.68,923.43) -600.33,921.73 ccw(c-594.99,920.3) v1@-597.5,915.36 ; v1(-604.29,901.99) -604.29,923.61 ; v1@-604.29,906.96 cw(c-570.45,906.96) AR2.2@-576.05,940.34 ; v1@-604.29,918.78 cw(c-572.43,918.78) AR2.2 ; v1@-599.45,903.25 cw(c-564.54,912.34) AR2.2@-590.05,937.85 ; v1@-599.04,916.04 cw(c-596.22,923.61) -604.29,923.61 ; AR2.2@-597.33,946.38 cw(c-622.22,941.54) -604.29,923.61 ; v1@-589.78,905.77 cw(c-544.94,917.44) AR2.2 ; AR2.2@-581.52,930.57 ccw(c-586.36,905.68) -604.29,923.61 ; -604.29,923.61 AR2.2
  Bottom Layer w10: v1@-1078.46,1090.99 cw(c-1078.46,1054.78) -1052.86,1080.39 cw(c-1027.25,1105.99) v1@-1063.46,1105.99 ; v1(-1078.46,1105.99) -874.46,901.99 v1(-604.29,901.99) ; v1@-614.9,891.39 ccw(c-640.51,865.78) -640.51,901.99 ccw(c-640.51,938.21) v1@-614.9,912.6
NetAR3_2: AR3.2 AU4.44 | length 743
  Top Layer w10: AU4.44 -542.21,2048.07 -482.29,2107.99 -482.29,2312.49 AR3.2 ; AU4.44@-705.95,2044.65 cw(c-697.68,2036.38) -697.68,2048.07 cw(c-697.68,2059.76) AU4.44@-705.95,2051.49 ; AR3.2@-379.49,2435.29 cw(c-427.78,2435.29) -393.63,2401.15 cw(c-359.49,2367.01) AR3.2@-359.49,2415.29
NetAR4_1: AR4.1 AU4.33 | length 1719.7
  Top Layer w10: v1@-805.9,1509.6 ccw(c-832.21,1535.91) -795,1535.91 ; AU4.33@-798.42,1644.06 cw(c-806.69,1635.79) -795,1635.79 cw(c-783.31,1635.79) AU4.33@-791.58,1644.06 ; v1(-795.29,1498.99) -795,1499.28 AU4.33 ; -795,1534.5 ccw(c-759.78,1534.5) v1@-784.69,1509.6 ; AR4.1 -215.29,564.71 v1(-215.29,918.99) ; AR4.1@-255,545 ccw(c-255,593.28) -220.86,559.14 ccw(c-186.72,525) AR4.1@-235,525 ; v1@-225.9,908.39 cw(c-251.51,882.78) -215.29,882.78 cw(c-179.08,882.78) v1@-204.69,908.39
  Bottom Layer w10: v1@-795.29,1483.99 cw(c-795.29,1447.78) -769.69,1473.39 cw(c-744.08,1498.99) v1@-780.29,1498.99 ; v1(-795.29,1498.99) v1(-215.29,918.99) ; v1@-230.29,918.99 ccw(c-266.51,918.99) -240.9,944.6 ccw(c-215.29,970.21) v1@-215.29,933.99
NetAR5_1: AR5.1 AU4.37 | length 2066.6
  Top Layer w10: AU4.37 -515.9,1827.6 -288.31,1600.01 -288.31,1415.97 -319.29,1384.99 -419.29,1384.99 -449.29,1354.99 -449.29,1187.99 -502.28,1135 -672.28,1135 -699.29,1107.99 -699.29,609.29 AR5.1 ; AU4.37@-705.95,1824.17 cw(c-697.68,1815.91) -697.68,1827.6 cw(c-697.68,1839.29) AU4.37@-705.95,1831.02 ; AR5.1@-635,525 ccw(c-683.28,525) -649.14,559.14 ccw(c-615,593.28) AR5.1@-615,545
NetAR8_1: AR8.1 AU4.32 | length 458.1
  Top Layer w10: AR8.1@-944.14,1359.34 ccw(c-978.28,1393.48) -930,1393.48 ccw(c-881.72,1393.48) AR8.1@-915.86,1359.34 ; AR8.1 -930,1495.99 -826.5,1599.5 AU4.32 ; AU4.32@-829.92,1644.06 cw(c-838.19,1635.79) -826.5,1635.79 cw(c-814.81,1635.79) AU4.32@-823.07,1644.06
NetAU3_7: AU3.7 AU3.13 | length 616.2
  Top Layer w10: AU3.13 -553.41,1260 -506.29,1307.12 -506.29,1369.99 -458.29,1417.99 -458.29,1455.99 -429.29,1484.99 -319.29,1484.99 -307.31,1473.01 -307.31,1434.98 -332.29,1410 AU3.7 ; AU3.13@-567.97,1255.88 cw(c-558.02,1245.93) -558.02,1260 cw(c-558.02,1274.07) AU3.13@-567.97,1264.12 ; AU3.7@-332.14,1415.83 ccw(c-332.14,1429.53) -322.45,1419.84 ; AU3.7@-326.32,1410 cw(c-311.89,1410) -322.09,1420.2
NetAU3_8: AU3.8 AU3.14 | length 467.7
  Top Layer w10: AU3.14 -538.28,1210 -480.29,1267.99 -480.29,1368.99 -439.29,1409.99 -439.29,1445.66 -424.95,1460 AU3.8 ; AU3.14@-567.97,1205.88 cw(c-558.02,1195.93) -558.02,1210 cw(c-558.02,1224.07) AU3.14@-567.97,1214.12 ; AU3.8@-413.03,1455.88 ccw(c-422.98,1445.93) -422.98,1460 ccw(c-422.98,1474.07) AU3.8@-413.03,1464.12
pads on no net: AU1.0 AU1.6 AU1.11 AU2.4 AU4.1 AU4.2 AU4.3 AU4.4 AU4.5 AU4.6 AU4.7 AU4.8 AU4.9 AU4.12 AU4.13 AU4.15 AU4.17 AU4.20 AU4.21 AU4.22 AU4.23 AU4.26 AU4.27 AU4.28 AU4.29 AU4.30 AU4.31 AU4.34 AU4.35 AU4.36 AU4.38 AU4.39 AU4.40 AU4.41 AU4.42 AU4.43

## Polygon pours and split planes (outlines as drawn)
no net on Internal Plane 1 (split plane): 274.35,-191.91 -3075.46,-191.91 -3075.46,3547.9 274.35,3547.9
no net on Internal Plane 2 (split plane): 274.35,-191.91 -3075.46,-191.91 -3075.46,3547.9 274.35,3547.9

## Silkscreen, mask and mechanical layers (free items; w line width, h text height)
Top Overlay:
  text "TRIGGER_V01" at -1605,-80 h133
Bottom Overlay:
  text "220V进" at -2725,3105 h133
  text "12V进" at -2760,2610 h133
  text "短路触发" at -2625,1700 h133
  text "220V触发" at -2605,1420 h133
  text "常闭     共      常开" at -2975,810 h133 r89.2
  text "TRIGGER_V01" at -1200,-120 h133

## Text inside footprints (layer, text, board x,y; h text height)
AB1: Top Overlay "+" at -545,-20 h54; Bottom Overlay "+" at -490,10 h55
ABT1: Top Overlay "左连右" at 85,500 h22; Top Overlay "左连右" at 80,305 h22 r2.73
AC3: Top Overlay "+" at -10,1440 h39.37 r270; Bottom Overlay "+" at -5,1440 h39.37 r270
AC4: Top Overlay "+" at -10,1726.67 h39.37 r270; Bottom Overlay "+" at -5,1726.67 h39.37 r270
AC5: Top Overlay "+" at -10,1588.33 h39.37 r270; Bottom Overlay "+" at -5,1588.33 h39.37 r270
AC6: Top Overlay "+" at -10,1875 h39.37 r270; Bottom Overlay "+" at -5,1875 h39.37 r270
AC8: Top Overlay "+" at -2516,1285 h39.37 r90; Bottom Overlay "+" at -2521,1285 h39.37 r90
AC9: Top Overlay "+" at -2415,255 h39.37; Bottom Overlay "+" at -2415,260 h39.37
AC10: Top Overlay "+" at -2360,585 h39.37 r180; Bottom Overlay "+" at -2360,580 h39.37 r180
AC11: Top Overlay "+" at -1390,1995 h39.37; Bottom Overlay "+" at -1390,2000 h39.37
AD1: Top Overlay "+" at -2540,2335 h39.37; Bottom Overlay "+" at -2520,2330 h39.37
AD2: Top Overlay "+" at -2520,960 h39.37 r90; Bottom Overlay "+" at -2515,980 h39.37 r90
AD3: Top Overlay "+" at -1420,270 h39.37 r180; Bottom Overlay "+" at -1440,275 h39.37 r180
ALED1: Top Overlay "+" at -254.29,2422.99 h39.37; Bottom Overlay "+" at -254.29,2422.99 h39.37
ALED2: Top Overlay "+" at -1540,1500 h39.37 r90; Bottom Overlay "+" at -1545,1500 h39.37 r90
AQ1: Top Overlay "+" at -470,563.95 h25; Top Overlay "1" at -385,578.95 h55; Top Overlay "2" at -395,498.95 h55; Top Overlay "3" at -395,423.95 h55
AQ2: Top Overlay "+" at -975,635 h25 r90; Top Overlay "1" at -990,720 h55 r90; Top Overlay "2" at -910,710 h55 r90; Top Overlay "3" at -835,710 h55 r90
AR1: Top Overlay "+" at -474,931 h30
AR2: Top Overlay "+" at -709,931 h30
AR3: Top Overlay "+" at -340.29,2303.99 h30 r90
AR4: Top Overlay "+" at -236,476 h30 r90
AR5: Top Overlay "+" at -596,476 h30 r90
AR6: Top Overlay "+" at -1389,1326 h30
AR7: Top Overlay "+" at -2516,1114.52 h39.37 r90; Bottom Overlay "+" at -2521,1114.52 h39.37 r90
AR8: Top Overlay "+" at -881,1364.2 h30 r180
AR9: Top Overlay "+" at -2550,145 h39.37; Bottom Overlay "+" at -2550,150 h39.37
AR10: Top Overlay "+" at -2505,505 h39.37 r180; Bottom Overlay "+" at -2505,500 h39.37 r180
ASL1: Top Overlay "4 S_OFF" at -2105,565 h44 r270; Top Overlay "5 S_On" at -2105,290 h45 r270; Top Overlay "1 A" at -1820,595 h44 r270; Top Overlay "2 B" at -1820,180 h41 r270; Top Overlay "3 S_MID" at -1730,430 h44 r270; Top Overlay "SongLe继电器" at -1975,485 h33 r270; Bottom Overlay "1 A" at -1855,580 h44 r270; Bottom Overlay "2 B" at -1860,215 h45 r270; Bottom Overlay "4 S_OFF" at -2120,605 h45 r270; Bottom Overlay "5 S_On" at -2130,270 h45 r270; Bottom Overlay "3 S_MID" at -1760,430 h44 r270
AU1: Top Overlay "0" at -1445,2690 h39.37; Top Overlay "12" at -1495,3279.92 h39.37; Top Overlay "11" at -2440,2857.6 h44; Top Overlay "L" at -2437.01,2662.24 h39.37; Top Overlay "N" at -2405,2815 h39.37; Top Overlay "L" at -2505,2967.6 h39.37; Top Overlay "L" at -2255,3277.6 h39.37; Top Overlay "N" at -2425,3277.6 h39.37; Top Overlay "10" at -1645,3272.6 h39.37; Top Overlay "9" at -1765,3277.6 h39.37; Top Overlay "8" at -2220,3237.6 h39.37; Top Overlay "5" at -2445,2597.6 h44; Top Overlay "6" at -2450,2772.6 h44; Top Overlay "7" at -1445,2860 h39.37; Top Overlay "5V+" at -1995,3212.6 h99; Top Overlay "3" at -1430,3085 h39.37; Top Overlay "4" at -1480,2575 h39.37; Top Overlay "2" at -2440,2959.92 h66; Top Overlay "1" at -2435,3194.92 h55; Top Overlay "5V-GND" at -1790,3109.92 h88; Top Overlay "5V+" at -1650,2727.6 h99; Top Overlay "220VAC" at -2360,3184.92 h99 r270; Bottom Overlay "5V+" at -1840,3209.92 h99; Bottom Overlay "5V+" at -1495,2724.92 h99; Bottom Overlay "5V-GND" at -1495,3117.6 h88; Bottom Overlay "220VAC" at -2350,2859.92 h98 r270; Bottom Overlay "2" at -2385,2954.92 h66; Bottom Overlay "1" at -2395,3199.92 h55
AU2: Top Overlay "1" at -1760,1990 h44 r180; Top Overlay "2" at -1755,2075 h44 r180; Top Overlay "3" at -1760,2160 h44 r180
AXH1: Top Overlay "卡扣" at 90,1325 h55 r90; Top Overlay "卡扣" at 90,1145 h55 r90